# KiCad board backplane-breaout-big.kicad_pcb (continued)
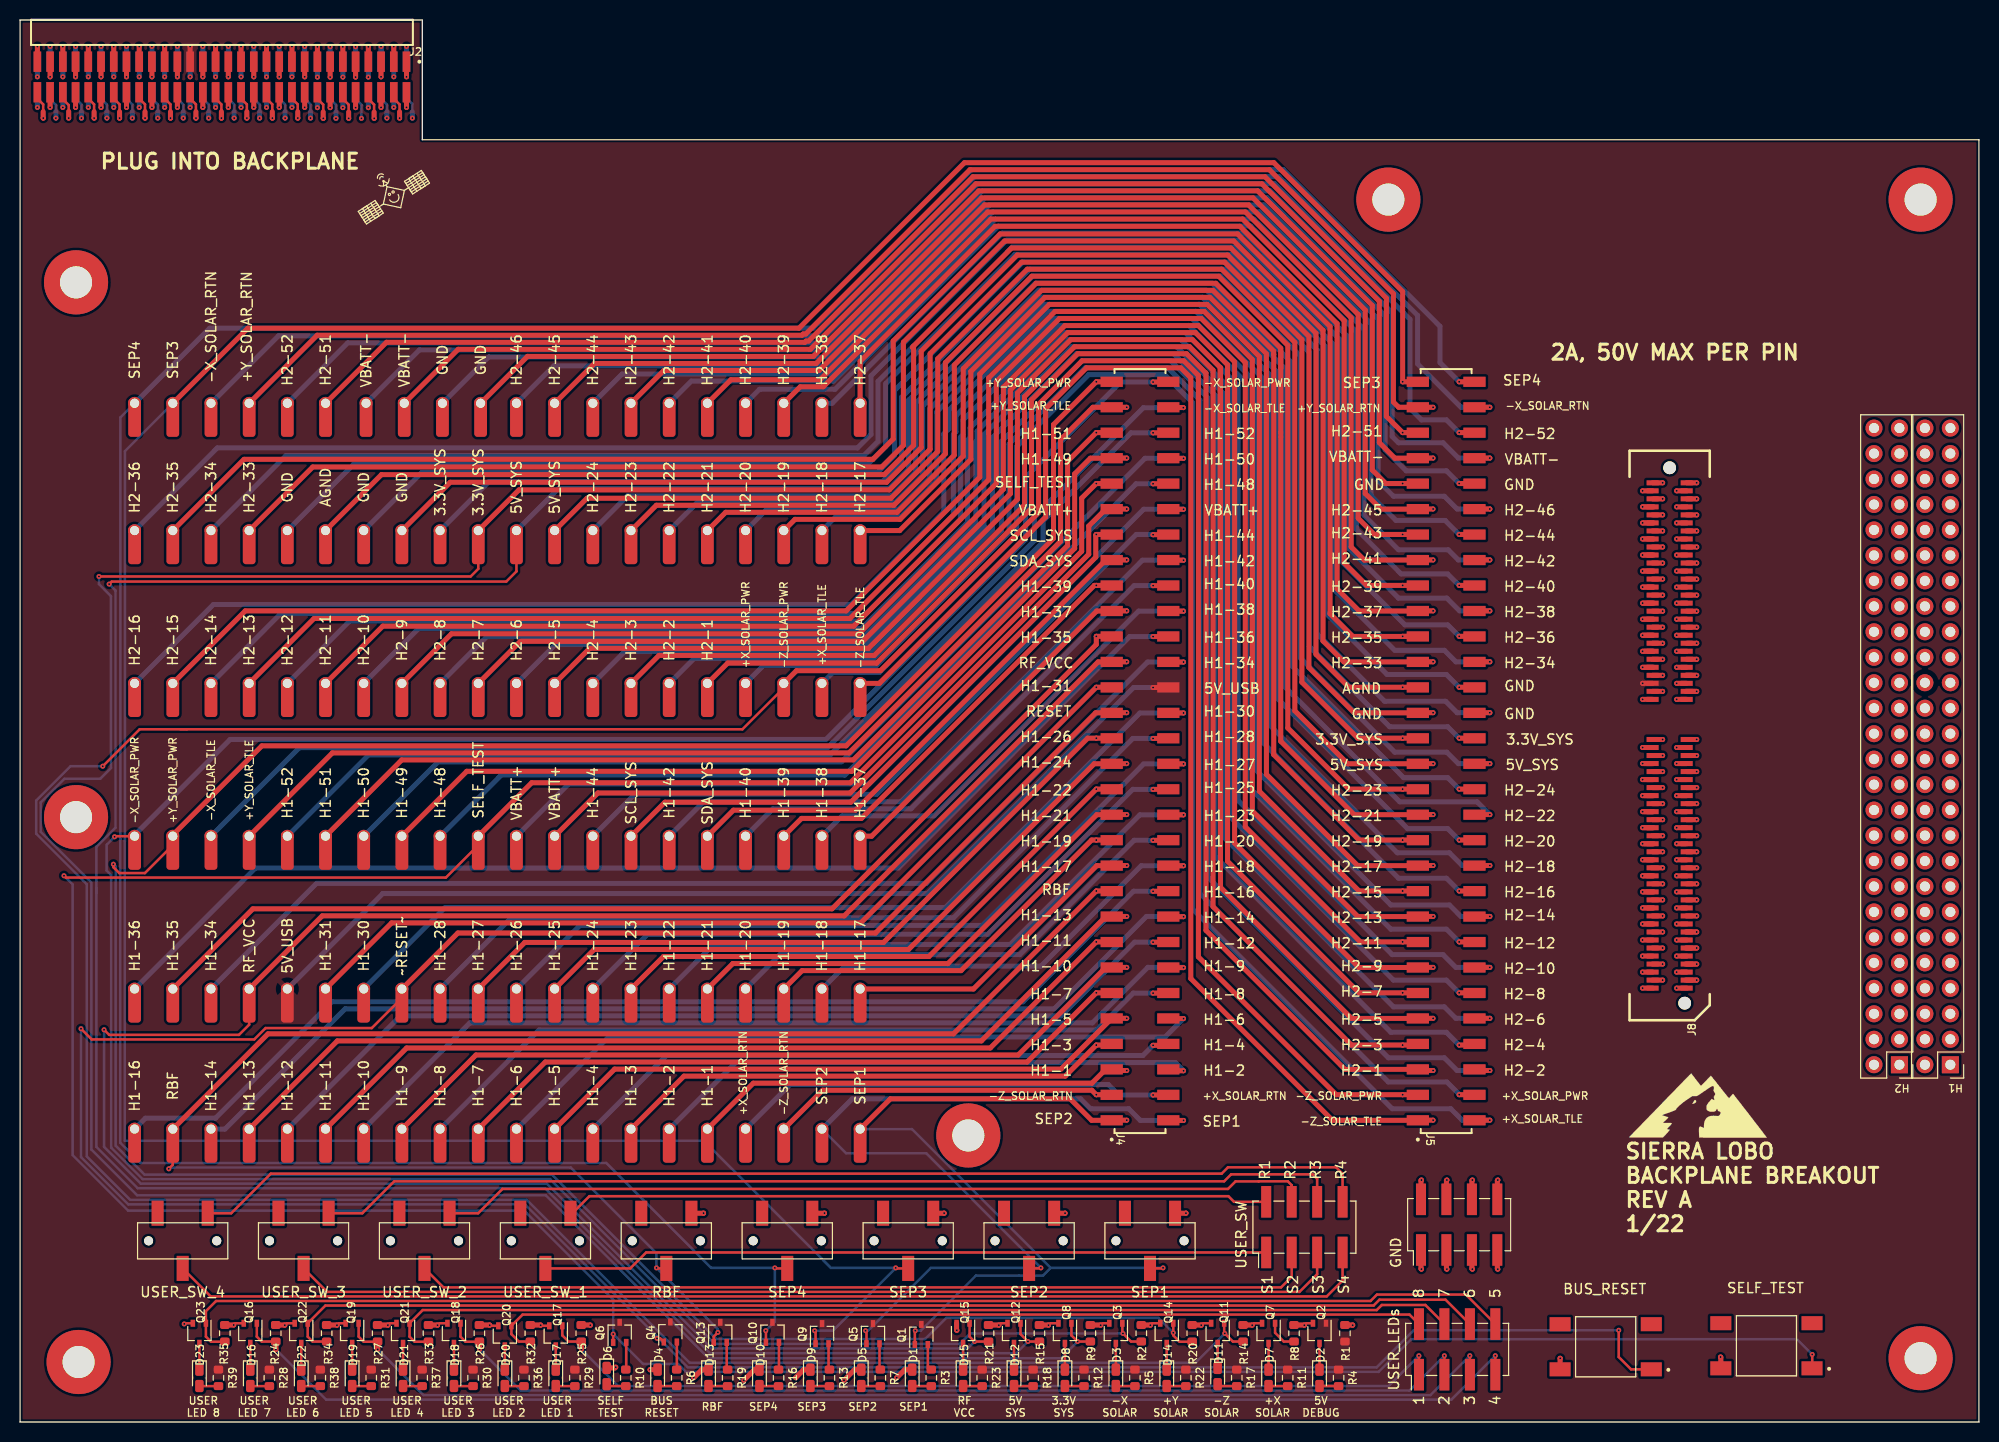
[diagram p0: board, top side]
## Nets
5V_DEBUG: H1.32 J2.36 J4.36 J8.70 Q1.3 Q2.1 Q4.3 Q5.3 Q6.3 Q9.3 Q10.3 Q13.3 R1.1 R4.1 R5.1 R11.1 R12.1 R17.1 R18.1 R22.1 R23.1 R28.1 R29.1 R30.1 R31.1 R36.1 R37.1 R38.1 R39.1 TP95.1
/AGND: H2.31 J1.35 J5.35 J8.71 TP36.1
GND: D1.1 D4.1 D5.1 D6.1 D9.1 D10.1 D13.1 H2.29 H2.30 H2.32 H2.47 H2.48 J1.33 J1.34 J1.36 J1.51 J1.52 J3.1 J3.2 J3.3 J3.4 J3.5 J3.6 J3.7 J3.8 J5.33 J5.34 J5.36 J5.51 J5.52 J8.67 J8.68 J8.72 J8.103 J8.104 Q2.2 Q3.2 Q7.2 Q8.2 Q11.2 Q12.2 Q14.2 Q15.2 Q16.2 Q17.2 Q18.2 Q19.2 Q20.2 Q21.2 Q22.2 Q23.2 R1.2 R2.2 R8.2 R9.2 R14.2 R15.2 R20.2 R21.2 R24.2 R25.2 R26.2 R27.2 R32.2 R33.2 R34.2 R35.2 SW1.2 SW2.2 SW7.3 SW8.3 SW9.3 SW10.3 SW11.3 TP34.1 TP52.1 TP94.1 TP96.1 TP112.1
/+X_SOLAR_PWR: J1.4 J5.4 J8.8 TP64.1
/+X_SOLAR_RTN: J2.4 J4.4 J8.6 TP63.1
/+X_SOLAR_TLE: J1.2 J5.2 J8.4 TP62.1
/+Y_SOLAR_PWR: J2.59 J4.59 J8.117 Q14.1 R20.1 TP59.1
/+Y_SOLAR_RTN: J1.57 J5.57 J8.115 TP58.1
/+Y_SOLAR_TLE: J2.57 J4.57 J8.113 TP57.1
/-X_SOLAR_PWR: J2.60 J4.60 J8.118 Q3.1 R2.1 TP119.1
/-X_SOLAR_RTN: J1.58 J5.58 J8.116 TP118.1
/-X_SOLAR_TLE: J2.58 J4.58 J8.114 TP117.1
/-Z_SOLAR_PWR: J1.3 J5.3 J8.7 Q11.1 R14.1 TP4.1
/-Z_SOLAR_RTN: J2.3 J4.3 J8.5 TP3.1
/-Z_SOLAR_TLE: J1.1 J5.1 J8.3 TP2.1
/BUS_RESET: H1.29 J2.33 J4.33 J8.65 Q4.1 SW1.1 TP33.1
/H1-1: H1.1 J2.5 J4.5 J8.9 TP5.1
/H1-2: H1.2 J2.6 J4.6 J8.10 TP65.1
/H1-3: H1.3 J2.7 J4.7 J8.13 TP7.1
/H1-4: H1.4 J2.8 J4.8 J8.14 TP67.1
/H1-5: H1.5 J2.9 J4.9 J8.17 TP9.1
/H1-6: H1.6 J2.10 J4.10 J8.18 TP69.1
/H1-7: H1.7 J2.11 J4.11 J8.21 TP11.1
/H1-8: H1.8 J2.12 J4.12 J8.22 TP71.1
/H1-9: H1.9 J2.13 J4.13 J8.25 TP13.1
/H1-10: H1.10 J2.14 J4.14 J8.26 TP73.1
/H1-11: H1.11 J2.15 J4.15 J8.29 TP15.1
/H1-12: H1.12 J2.16 J4.16 J8.30 TP75.1
/H1-13: H1.13 J2.17 J4.17 J8.33 TP17.1
/H1-14: H1.14 J2.18 J4.18 J8.34 TP77.1
/H1-16: H1.16 J2.20 J4.20 J8.38 TP79.1
/H1-17: H1.17 J2.21 J4.21 J8.41 TP21.1
/H1-18: H1.18 J2.22 J4.22 J8.42 TP81.1
/H1-19: H1.19 J2.23 J4.23 J8.45 TP23.1
/H1-20: H1.20 J2.24 J4.24 J8.46 TP83.1
/H1-21: H1.21 J2.25 J4.25 J8.49 TP25.1
/H1-22: H1.22 J2.26 J4.26 J8.50 TP85.1
/H1-23: H1.23 J2.27 J4.27 J8.53 TP27.1
/H1-24: H1.24 J2.28 J4.28 J8.54 TP87.1
/H1-25: H1.25 J2.29 J4.29 J8.57 TP29.1
/H1-26: H1.26 J2.30 J4.30 J8.58 TP89.1
/H1-27: H1.27 J2.31 J4.31 J8.61 TP31.1
/H1-28: H1.28 J2.32 J4.32 J8.62 TP91.1
/H1-30: H1.30 J2.34 J4.34 J8.66 TP93.1
/H1-31: H1.31 J2.35 J4.35 J8.69 TP35.1
/H1-33: H1.33 J2.37 J4.37 J8.73 Q15.1 R21.1 TP37.1
/H1-34: H1.34 J2.38 J4.38 J8.74 TP97.1
/H1-35: H1.35 J2.39 J4.39 J8.77 TP39.1
/H1-36: H1.36 J2.40 J4.40 J8.78 TP99.1
/H1-37: H1.37 J2.41 J4.41 J8.81 TP41.1
/H1-38: H1.38 J2.42 J4.42 J8.82 TP101.1
/H1-39: H1.39 J2.43 J4.43 J8.85 TP43.1
/H1-40: H1.40 J2.44 J4.44 J8.86 TP103.1
/H1-41: H1.41 J2.45 J4.45 J8.89 TP45.1
/H1-42: H1.42 J2.46 J4.46 J8.90 TP105.1
/H1-43: H1.43 J2.47 J4.47 J8.93 TP47.1
/H1-44: H1.44 J2.48 J4.48 J8.94 TP107.1
/H1-45: H1.45 J2.49 J4.49 J8.97 TP49.1
/H1-46: H1.46 J2.50 J4.50 J8.98 TP109.1
/H1-48: H1.48 J2.52 J4.52 J8.102 TP111.1
/H1-49: H1.49 J2.53 J4.53 J8.105 TP53.1
/H1-50: H1.50 J2.54 J4.54 J8.106 TP113.1
/H1-51: H1.51 J2.55 J4.55 J8.109 TP55.1
/H1-52: H1.52 J2.56 J4.56 J8.110 TP115.1
/H2-1: H2.1 J1.5 J5.5 J8.11 TP6.1
/H2-2: H2.2 J1.6 J5.6 J8.12 TP66.1
/H2-3: H2.3 J1.7 J5.7 J8.15 TP8.1
/H2-4: H2.4 J1.8 J5.8 J8.16 TP68.1
/H2-5: H2.5 J1.9 J5.9 J8.19 TP10.1
/H2-6: H2.6 J1.10 J5.10 J8.20 TP70.1
/H2-7: H2.7 J1.11 J5.11 J8.23 TP12.1
/H2-8: H2.8 J1.12 J5.12 J8.24 TP72.1
/H2-9: H2.9 J1.13 J5.13 J8.27 TP14.1
/H2-10: H2.10 J1.14 J5.14 J8.28 TP74.1
/H2-11: H2.11 J1.15 J5.15 J8.31 TP16.1
/H2-12: H2.12 J1.16 J5.16 J8.32 TP76.1
/H2-13: H2.13 J1.17 J5.17 J8.35 TP18.1
/H2-14: H2.14 J1.18 J5.18 J8.36 TP78.1
/H2-15: H2.15 J1.19 J5.19 J8.39 TP20.1
/H2-16: H2.16 J1.20 J5.20 J8.40 TP80.1
/H2-17: H2.17 J1.21 J5.21 J8.43 TP22.1
/H2-18: H2.18 J1.22 J5.22 J8.44 TP82.1
/H2-19: H2.19 J1.23 J5.23 J8.47 TP24.1
/H2-20: H2.20 J1.24 J5.24 J8.48 TP84.1
/H2-21: H2.21 J1.25 J5.25 J8.51 TP26.1
/H2-22: H2.22 J1.26 J5.26 J8.52 TP86.1
/H2-23: H2.23 J1.27 J5.27 J8.55 TP28.1
/H2-24: H2.24 J1.28 J5.28 J8.56 TP88.1
/H2-25: H2.25 J1.29 J5.29 J8.59 TP30.1
/H2-26: H2.26 J1.30 J5.30 J8.60 Q12.1 R15.1 TP90.1
/H2-27: H2.27 J1.31 J5.31 J8.63 Q8.1 R9.1 TP32.1
/H2-28: H2.28 J1.32 J5.32 J8.64 TP92.1
/H2-33: H2.33 J1.37 J5.37 J8.75 TP38.1
/H2-34: H2.34 J1.38 J5.38 J8.76 TP98.1
/H2-35: H2.35 J1.39 J5.39 J8.79 TP40.1
/H2-36: H2.36 J1.40 J5.40 J8.80 TP100.1
/H2-37: H2.37 J1.41 J5.41 J8.83 TP42.1
/H2-38: H2.38 J1.42 J5.42 J8.84 TP102.1
/H2-39: H2.39 J1.43 J5.43 J8.87 TP44.1
/H2-40: H2.40 J1.44 J5.44 J8.88 TP104.1
/H2-41: H2.41 J1.45 J5.45 J8.91 TP46.1
/H2-42: H2.42 J1.46 J5.46 J8.92 TP106.1
/H2-43: H2.43 J1.47 J5.47 J8.95 TP48.1
/H2-44: H2.44 J1.48 J5.48 J8.96 TP108.1
/H2-45: H2.45 J1.49 J5.49 J8.99 TP50.1
/H2-46: H2.46 J1.50 J5.50 J8.100 TP110.1
/H2-49: H2.49 J1.53 J5.53 J8.107 TP54.1
/H2-50: H2.50 J1.54 J5.54 J8.108 TP114.1
/H2-51: H2.51 J1.55 J5.55 J8.111 TP56.1
/H2-52: H2.52 J1.56 J5.56 J8.112 TP116.1
/RBF: H1.15 J2.19 J4.19 J8.37 Q13.1 SW11.2 TP19.1
/SELF_TEST: H1.47 J2.51 J4.51 J8.101 Q6.1 SW2.1 TP51.1
/SEP1: J2.1 J4.1 J8.1 Q1.1 SW7.2 TP1.1
/SEP2: J2.2 J4.2 J8.2 Q5.1 SW8.2 TP61.1
/SEP3: J1.59 J5.59 J8.119 Q9.1 SW9.2 TP60.1
/SEP4: J1.60 J5.60 J8.120 Q10.1 SW10.2 TP120.1
/USER_LED_1: J7.1 Q17.1 R25.1
/USER_LED_2: J7.2 Q20.1 R32.1
/USER_LED_3: J7.3 Q18.1 R26.1
/USER_LED_4: J7.4 Q21.1 R33.1
/USER_LED_5: J7.5 Q19.1 R27.1
/USER_LED_6: J7.6 Q22.1 R34.1
/USER_LED_7: J7.7 Q16.1 R24.1
/USER_LED_8: J7.8 Q23.1 R35.1
/USER_SW_1_RET: J6.2 SW3.3
/USER_SW_1_SEND: J6.1 SW3.2
/USER_SW_2_RET: J6.4 SW4.3
/USER_SW_2_SEND: J6.3 SW4.2
/USER_SW_3_RET: J6.6 SW5.3
/USER_SW_3_SEND: J6.5 SW5.2
/USER_SW_4_RET: J6.8 SW6.3
/USER_SW_4_SEND: J6.7 SW6.2
Net-(D1-Pad2): D1.2 R3.2
Net-(D2-Pad1): D2.1 Q2.3
Net-(D2-Pad2): D2.2 R4.2
Net-(D3-Pad1): D3.1 Q3.3
Net-(D3-Pad2): D3.2 R5.2
Net-(D4-Pad2): D4.2 R6.2
Net-(D5-Pad2): D5.2 R7.2
Net-(D6-Pad2): D6.2 R10.2
Net-(D7-Pad1): D7.1 Q7.3
Net-(D7-Pad2): D7.2 R11.2
Net-(D8-Pad1): D8.1 Q8.3
Net-(D8-Pad2): D8.2 R12.2
Net-(D9-Pad2): D9.2 R13.2
Net-(D10-Pad2): D10.2 R16.2
Net-(D11-Pad1): D11.1 Q11.3
Net-(D11-Pad2): D11.2 R17.2
Net-(D12-Pad1): D12.1 Q12.3
Net-(D12-Pad2): D12.2 R18.2
Net-(D13-Pad2): D13.2 R19.2
Net-(D14-Pad1): D14.1 Q14.3
Net-(D14-Pad2): D14.2 R22.2
Net-(D15-Pad1): D15.1 Q15.3
Net-(D15-Pad2): D15.2 R23.2
Net-(D16-Pad1): D16.1 Q16.3
Net-(D16-Pad2): D16.2 R28.2
Net-(D17-Pad1): D17.1 Q17.3
Net-(D17-Pad2): D17.2 R29.2
Net-(D18-Pad1): D18.1 Q18.3
Net-(D18-Pad2): D18.2 R30.2
Net-(D19-Pad1): D19.1 Q19.3
Net-(D19-Pad2): D19.2 R31.2
Net-(D20-Pad1): D20.1 Q20.3
Net-(D20-Pad2): D20.2 R36.2
Net-(D21-Pad1): D21.1 Q21.3
Net-(D21-Pad2): D21.2 R37.2
Net-(D22-Pad1): D22.1 Q22.3
Net-(D22-Pad2): D22.2 R38.2
Net-(D23-Pad1): D23.1 Q23.3
Net-(D23-Pad2): D23.2 R39.2
Net-(Q1-Pad2): Q1.2 R3.1
Net-(Q4-Pad2): Q4.2 R6.1
Net-(Q5-Pad2): Q5.2 R7.1
Net-(Q6-Pad2): Q6.2 R10.1
Net-(Q7-Pad1): Q7.1 R8.1
Net-(Q9-Pad2): Q9.2 R13.1
Net-(Q10-Pad2): Q10.2 R16.1
Net-(Q13-Pad2): Q13.2 R19.1

Pads without a net: H5 1; H6 1; H7 1; H8 1; H9 1; H10 1; H11 1; SW1 3 4; SW2 3 4; SW3 1; SW4 1; SW5 1; SW6 1; SW7 1; SW8 1; SW9 1; SW10 1; SW11 1

## Via types
v1: diameter 0.5, hole 0.2, Top to Bottom, 437 vias

## Routing (per net, layer and track width the routed paths; a pad name or vN(x,y) marks a point on that pad's centre or on a via; arc(x,y) is an arc through that point)
5V_DEBUG: length 400.1
  Top w0.5: 16.97,135.68 v1(16.97,137.19) ; J8.70 v1(161.89,73.67) ; 114.57,73.25 v1(113.05,73.25)
  In3.Cu w0.25: 16.39,134.76 16.39,130.82 16.89,130.32 16.89,129.41
  In3.Cu w0.4: H1.32 188.81,74.98 184.46,74.98
  In3.Cu w0.5: 16.39,134.76 16.39,136.61 v1(16.97,137.19) ; 184.46,74.98 183.26,74.98 182.05,73.77 166.25,73.77 165.55,74.47 165.08,74.47 164.28,73.67 v1(161.89,73.67) 161.58,73.98 113.78,73.98 v1(113.05,73.25) ; TP95.1 35.11,51.62 85.15,51.62 93.67,60.14 93.67,106.11 86.17,113.61 27.22,113.61 16.89,123.94 16.89,129.67
  Bottom w0.5: TP95.1 36.19,52.7 90.55,52.7 111.1,73.25 v1(113.05,73.25)
/AGND: length 375.4
  Top w0.5: 89.15,107.31 89.15,97.41 86.23,94.49 36.06,94.49 TP36.1 ; 89.03,107.19 98.92,117.09 120.81,117.09 129.3,108.59 129.3,76.56 132.59,73.28 v1(137.95,73.28) 139.47,73.28 ; 166.19,74.47 167.15,74.47 ; J8.71 v1(167.29,74.47)
  In4.Cu w0.25: v1(16.97,134.16) 16.39,133.59 16.39,130.76 16.89,130.26 16.89,129.41
  In4.Cu w0.4: 183.76,72.48 186.27,72.48 H2.31
  In4.Cu w0.5: 184.56,72.48 169.28,72.48 v1(167.29,74.47) 165.05,74.47 164.35,73.77 163.55,73.77 162.95,74.37 139.04,74.37 v1(137.95,73.28) ; 16.89,129.67 16.89,125.73 28.82,113.8 78.08,113.8 87.63,104.24 87.63,98.57 84.94,95.88 37.4,95.88 30.42,88.91
  Bottom w0.5: v1(16.97,134.16) 16.97,135.67
GND: length 1622.7
  Top w0.25: Q11.2 118.05,9.84 v1(117.86,9.65) ; Q7.2 123.13,9.84 v1(122.94,9.65) ; v1(51.94,9.65) 52,9.59 Q17.2 ; v1(31.62,9.65) 31.82,9.84 Q19.2 ; Q20.2 46.92,9.59 v1(46.86,9.65) ; Q12.2 97.86,9.84 v1(97.66,9.65) ; Q8.2 102.81,9.84 v1(102.62,9.65) ; Q16.2 21.49,9.84 v1(21.32,9.67) ; v1(112.78,9.65) 112.97,9.84 Q14.2 ; Q18.2 41.85,9.84 v1(41.66,9.65) ; Q2.2 128.34,9.84 v1(128.14,9.65) ; Q21.2 36.9,9.84 v1(36.7,9.65) ; v1(16.38,9.78) 16.45,9.84 Q23.2 ; v1(107.82,9.65) 108.02,9.84 Q3.2 ; v1(26.42,9.65) 26.61,9.84 Q22.2
  Top w0.5: J3.6 144.86,24.08 v1(144.91,24.13) ; TP34.1 42.92,93.73 86.46,93.73 89.92,97.18 89.92,106.81 99.49,116.38 120.49,116.38 128.6,108.28 128.6,75.24 133.12,70.73 J5.33 ; 145.12,93.6 v1(143.59,93.6) ; v1(142.37,24.13) 142.32,24.08 142.32,22.2 ; v1(77.39,4.41) 78.19,5.21 D9.1 ; R9.2 107.81,9.67 v1(107.82,9.65) ; v1(36.7,9.65) 36.69,9.67 R27.2 ; R26.2 46.84,9.67 v1(46.86,9.65) ; v1(139.83,24.13) 139.78,24.08 J3.2 ; v1(82.21,4.16) 83.26,5.21 D5.1 ; 145.12,73.28 v1(143.59,73.28) ; v1(147.45,24.13) 147.4,24.08 J3.8 ; v1(68.2,20.83) 68.19,20.82 SW11.3 ; R20.2 117.84,9.67 v1(117.86,9.65) ; v1(59.44,5.46) 59.37,5.39 D6.1 ; R25.2 56.88,9.67 v1(56.9,9.65) ; J3.1 139.78,15.29 v1(139.83,15.24) ; D13.1 68.03,5.21 v1(67.23,4.41) ; v1(132.97,9.65) 132.95,9.67 R1.2 ; v1(41.66,9.65) 41.64,9.67 R33.2 ; D1.1 88.27,5.21 v1(87.47,4.41) ; R32.2 51.93,9.67 v1(51.94,9.65) ; J8.103 v1(167.29,87.27) ; v1(72.22,4.16) 73.27,5.21 D10.1 ; v1(97.66,9.65) 97.65,9.67 R21.2 ; v1(26.42,9.65) 26.4,9.67 R24.2 ; J8.68 v1(163.89,72.87) ; v1(104.27,20.83) 104.25,20.82 103.18,20.82 ; v1(93.47,9.14) 93.44,9.17 Q15.2 ; R14.2 122.92,9.67 v1(122.94,9.65) ; J8.72 v1(163.89,74.47) ; R35.2 v1(21.32,9.67) ; 139.47,93.6 v1(137.95,93.6) 136.27,93.6 134.92,94.95 134.92,111.35 123.48,122.79 95.65,122.79 79.14,106.28 50.63,106.28 TP52.1 ; v1(62.87,5.21) 62.87,5.21 D4.1 ; 145.12,70.74 v1(146.65,70.74) ; v1(112.78,9.65) 112.76,9.67 R2.2 ; v1(92.2,20.83) 92.19,20.82 SW9.3 ; v1(128.14,9.65) 128.12,9.67 R8.2 ; J8.67 v1(167.29,72.87) ; v1(31.62,9.65) 31.61,9.67 R34.2 ; R15.2 102.6,9.67 v1(102.62,9.65) ; SW7.3 116.32,20.82 v1(116.33,20.83) ; SW1.2 153.66,6.34 v1(153.67,6.35) ; SW2.2 169.7,6.45 v1(169.67,6.48) ; J3.7 147.4,15.29 v1(147.45,15.24) ; 139.47,70.74 140.95,70.74 ; v1(80.26,20.83) 80.25,20.82 SW10.3 ; J8.104 v1(163.89,87.27) ; 142.32,17.15 142.32,15.29 v1(142.37,15.24) ; J3.5 144.86,15.29 v1(144.91,15.24) ; 166.19,72.87 167.15,72.87
  In2.Cu w0.25: 6.86,129.54 6.81,129.59 v1(6.81,131.11) ; 17.02,129.54 16.97,129.59 v1(16.97,131.11)
  In2.Cu w0.5: H2.48 176.67,94.05 170.69,88.07 166.75,88.07 165.95,87.27 v1(163.89,87.27) 152.85,87.27 146.52,93.6 v1(143.59,93.6) ; 6.86,129.54 6.86,126.26 29.72,103.4 40.35,103.4 TP112.1 ; TP96.1 32.13,94.36 84.33,94.36 87.88,97.92 87.88,101.22 79.76,109.34 32.52,109.34 17.02,124.84 17.02,129.54 ; v1(146.65,70.74) 148.68,72.77 163.79,72.77 v1(163.89,72.87) 165.85,72.87 166.65,73.67 174.79,73.67 177.27,71.19 H2.30 ; v1(18.82,130.05) 18.82,124.81 33.4,110.24 80.01,110.24 88.65,101.6 88.65,97.54 85.32,94.21 39.59,94.21 TP94.1 ; H2.32 176.49,73.73 175.05,75.17 166.19,75.17 165.49,74.47 v1(163.89,74.47) 144.78,74.47 v1(143.59,73.28)
  In4.Cu w0.25: 6.73,129.41 6.73,130.26 6.12,130.87 6.12,133.47 v1(6.81,134.16) ; 18.16,129.54 18.16,130.26 17.66,130.76 17.66,136.61 v1(18.24,137.19)
  In4.Cu w0.4: H2.29 186.23,69.9 183.88,69.9 ; 183.35,92.77 186.24,92.77 H2.47
  In4.Cu w0.5: 183.35,92.77 184.35,92.77 ; TP52.1 40.12,107.44 26.07,107.44 6.73,126.78 6.73,129.67 ; 183.95,92.77 172.79,92.77 v1(167.29,87.27) 165.05,87.27 164.25,86.47 163.55,86.47 162.85,87.17 160.45,87.17 160.45,87.17 152.25,87.17 146.9,92.52 139.03,92.52 v1(137.95,93.6) ; 18.16,129.54 18.16,125.98 29.65,114.5 78.41,114.5 88.39,104.52 88.39,98.3 85.28,95.18 44.38,95.18 TP34.1 ; v1(140.99,70.74) 141.66,70.07 164.49,70.07 v1(167.29,72.87) 170.26,69.9 184.42,69.9
  Bottom w0.25: 18.24,132 18.82,131.42 18.82,130.86
  Bottom w0.5: v1(6.81,134.16) 6.81,135.67 ; v1(146.65,70.74) 143.38,70.74 142.24,71.88 136.14,71.88 129.41,78.61 129.41,106.93 120.65,115.7 100.08,115.7 87.25,102.87 87.25,96.39 85.53,94.68 40.06,94.68 TP94.1 ; v1(18.82,130.05) 18.82,130.05 18.82,130.68 ; TP112.1 46.76,106.22 80.42,106.22 96.29,122.09 124.44,122.09 136.2,110.33 136.2,96.97 138.3,94.87 142.32,94.87 v1(143.59,93.6) ; v1(143.59,73.28) 142.32,74.55 136.4,74.55 130.18,80.77 130.18,107.31 121.03,116.46 99.27,116.46 86.37,103.56 86.37,97.29 84.58,95.5 33.27,95.5 TP96.1 ; 18.24,135.68 v1(18.24,137.19) ; J1.36 v1(16.97,131.11) ; J1.52 v1(6.81,131.11)
/+X_SOLAR_PWR: length 303.2
  Top w0.5: 145.12,32.64 v1(143.59,32.64) ; J8.8 v1(163.89,45.67)
  In2.Cu w0.25: v1(37.29,131.11) 37.29,129.59 37.34,129.54
  In2.Cu w0.5: 37.34,129.54 37.34,125.6 40.89,122.05 84.46,122.05 100.08,106.43 100.08,93.34 84.01,77.28 76,77.28 TP64.1 ; v1(163.89,45.67) 160.55,45.67 147.52,32.64 v1(143.59,32.64)
  Bottom w0.5: TP64.1 74.18,75.46 85.44,75.46 98.68,88.69 98.68,97.54 106.3,105.15 114.5,105.15 117.73,101.92 117.73,52.7 136.53,33.91 142.37,33.91 143.59,32.69 v1(143.59,32.64) ; J1.4 v1(37.29,131.11)
/+X_SOLAR_RTN: length 287.1
  Top w0.5: 37.29,135.67 37.29,137.18 ; J8.6 v1(161.89,44.87) ; 114.57,32.61 v1(113.05,32.61)
  In3.Cu w0.25: 37.21,129.67 37.21,130.26 36.71,130.76 36.71,131.58 ; 36.71,134.63 36.71,133.74
  In3.Cu w0.5: v1(37.29,137.19) 36.71,136.61 36.71,134.63 ; 36.71,131.58 36.71,133.74 ; v1(113.05,32.61) 114.21,33.77 150.79,33.77 v1(161.89,44.87) ; 37.21,129.67 37.21,126.24 38.48,124.97 90.81,124.97 105.03,110.74 105.03,52.32 85.79,33.09 76.27,33.09 TP63.1
  Bottom w0.5: v1(113.05,32.61) 109.63,32.61 108.59,33.66 76.84,33.66 TP63.1
/+X_SOLAR_TLE: length 289.5
  Top w0.5: J8.4 v1(163.89,44.07) ; 145.12,30.1 v1(146.65,30.1)
  In2.Cu w0.5: v1(146.65,30.1) 160.62,44.07 v1(163.89,44.07) ; TP62.1 82.8,76.45 84.46,76.45 100.84,92.84 100.84,106.81 84.84,122.81 41.78,122.81 39.14,125.45 v1(39.14,130.05)
  Bottom w0.25: 38.56,132.05 39.14,131.47 39.14,130.67
  Bottom w0.5: v1(146.65,30.1) 143.89,30.1 142.75,31.24 136.91,31.24 116.97,51.18 116.97,101.69 114.21,104.45 106.61,104.45 99.44,97.28 99.44,88.46 85.74,74.75 81.1,74.75 TP62.1 ; 39.14,130.67 39.14,130.05
/+Y_SOLAR_PWR: length 543.5
  Top w0.25: 116.94,8 115.7,8 115.06,8.63 v1(115.06,8.89) Q14.1 ; 2.31,130.68 2.31,131.42 1.73,132 ; v1(9.31,55.63) 9.31,55.33 9.9,54.74 12.46,54.74 15.24,57.53
  Top w0.5: J8.117 v1(165.29,92.87) ; 108.9,103.75 v1(107.38,103.75) 103.12,99.48 103.12,88.13 82.42,67.44 24.13,67.44 15.24,58.55 ; v1(2.31,130.05) 2.31,130.05 2.31,130.68
  In1.Cu w0.5: v1(2.31,130.05) 2.31,124.72 23.83,103.2 83.98,103.2 85.48,101.7 85.48,70.11 80.77,65.4 22.22,65.4 TP59.1 ; v1(107.38,103.75) 108.66,102.47 154.1,102.47 163.7,92.87 v1(165.29,92.87)
  Bottom w0.25: v1(9.31,55.63) 9.54,55.4 9.54,27.55 12.42,24.67 53.07,24.67 69.47,8.27 90.3,8.27 92.41,10.38 113.58,10.38 v1(115.06,8.89)
/+Y_SOLAR_RTN: length 221.4
  Top w0.5: TP58.1 29.64,108.39 78.02,108.39 78.14,108.52 78.4,108.52 94.78,124.9 124.65,124.9 137.03,112.52 137.03,101.73 137.55,101.21 J5.57 ; J8.115 v1(167.29,92.07) ; 139.47,101.21 140.95,101.21
  In4.Cu w0.25: 2.92,129.67 2.92,130.38 2.42,130.88 2.42,136.61 v1(3,137.19)
  In4.Cu w0.5: v1(167.29,92.07) 165.1,92.07 164.3,91.27 163.7,91.27 162.8,92.17 154.25,92.17 145.21,101.21 v1(140.99,101.21) ; TP58.1 20.96,103.51 20.96,109.58 2.92,127.61 2.92,129.67
  Bottom w0.5: 3,135.68 v1(3,137.19)
/+Y_SOLAR_TLE: length 371.6
  Top w0.5: TP57.1 31.17,66.73 82.71,66.73 103.82,87.84 103.82,97.98 107.05,101.21 J4.57 ; J8.113 v1(165.29,91.27) ; J2.57 v1(3,131.11) ; 108.9,101.21 110.38,101.21
  In1.Cu w0.25: v1(3,131.11) 3,129.71 3.05,129.67
  In1.Cu w0.5: TP57.1 29.08,64.64 81.03,64.64 86.18,69.8 86.18,102 84.23,103.95 24.08,103.95 3.05,124.98 3.05,129.54 ; v1(165.29,91.27) 162.89,91.27 162.09,92.07 160.85,92.07 153.15,99.77 111.86,99.77 v1(110.43,101.21)
/-X_SOLAR_PWR: length 541.3
  Top w0.25: v1(9.43,58.36) 9.49,58.43 TP119.1 ; Q3.1 109.98,8.89 v1(110.05,8.83) 110.85,8.02 R2.1
  Top w0.5: 1.73,135.68 v1(1.73,137.19) ; 114.57,103.72 v1(113.05,103.72) ; J8.118 v1(161.89,92.87)
  In3.Cu w0.5: v1(161.89,92.87) 151.72,103.04 113.73,103.04 v1(113.05,103.72) ; TP119.1 21.46,68.45 80.93,68.45 84.91,72.44 84.91,102.95 83.08,104.77 24.13,104.77 2.03,126.87 2.03,128.9 0.92,130.02 0.92,136.37 v1(1.73,137.19)
  Bottom w0.25: v1(110.05,8.83) 94.8,8.83 93.76,7.78 69.32,7.78 52.89,24.22 12.24,24.22 9.09,27.37 9.09,54.54 8.64,54.99 8.64,57.57 v1(9.43,58.36)
  Bottom w0.5: v1(113.05,103.72) 109.82,103.72 100.33,94.23 100.33,88.01 80.39,68.07 20.96,68.07 11.43,58.55
/-X_SOLAR_RTN: length 209.8
  Top w0.5: J8.116 v1(163.89,92.07) ; 145.12,101.21 v1(146.65,101.21)
  In2.Cu w0.5: v1(3.58,130.04) 3.58,125.05 19.05,109.58 TP118.1 ; v1(146.65,101.21) 155.79,92.07 v1(163.89,92.07)
  Bottom w0.25: 3.58,130.7 3.58,131.35 3,131.93
  Bottom w0.5: v1(146.65,101.21) 143.78,101.21 139.45,105.54 139.45,110.36 125.61,124.2 95.25,124.2 79.38,108.33 25.78,108.33 TP118.1 ; v1(3.58,130.04) 3.58,130.7
/-X_SOLAR_TLE: length 374.7
  Top w0.5: 3,135.67 v1(3,134.16) ; J8.114 v1(161.89,91.27) ; 162.99,91.27 162.03,91.27 ; 114.57,101.18 116.05,101.18
  In3.Cu w0.25: 2.92,129.41 2.92,130.26 2.42,130.76 2.42,131.56
  In3.Cu w0.5: v1(3,134.16) 2.42,133.59 2.42,131.56 ; TP117.1 28.32,67.69 81.16,67.69 85.62,72.15 85.62,103.24 83.31,105.54 24.36,105.54 2.92,126.98 2.92,129.67 ; v1(116.07,101.16) 116.73,100.5 152.66,100.5 v1(161.89,91.27)
  Bottom w0.5: TP117.1 27.87,67.24 80.56,67.24 101.21,87.9 101.21,90.29 112.09,101.16 v1(116.07,101.16)
/-Z_SOLAR_PWR: length 557.6
  Top w0.25: Q11.1 120.14,8.89 v1(120.21,8.83) 121.01,8.02 R14.1 ; v1(8.26,65.4) 11.94,69.09 16.64,69.09 ; 76.2,73.21 72.08,69.09 16.64,69.09 ; 16,69.09 16.64,69.09
  Top w0.5: J8.7 v1(167.29,45.67) ; 166.19,45.67 167.15,45.67 ; TP4.1 77.46,74.93 85.85,74.93 101.63,90.7 101.63,101.5 105.97,105.84 116.11,105.84 117.57,104.38 117.57,46.39 131.32,32.64 v1(137.95,32.64) 139.47,32.64
  In4.Cu w0.25: 37.21,129.67 37.21,130.3 36.6,130.92 36.6,133.47 v1(37.29,134.16)
  In4.Cu w0.5: TP4.1 81.14,78.6 88.51,78.6 100.2,90.3 100.2,109.35 84.33,125.22 39.5,125.22 37.21,127.51 37.21,129.67 ; v1(167.29,45.67) 164.89,45.67 164.09,44.87 162.89,44.87 162.18,45.57 161.45,45.57 149.45,33.57 138.88,33.57 v1(137.95,32.64)
  Bottom w0.25: v1(8.26,65.4) 5.04,65.4 1.61,61.97 1.61,58.68 6.66,53.62 6.66,26.48 10.99,22.15 50.56,22.15 66.82,5.9 117.28,5.9 v1(120.21,8.83)
  Bottom w0.5: 37.29,135.68 37.29,134.17
/-Z_SOLAR_RTN: length 274
  Top w0.25: 37.87,130.67 37.87,131.41 37.29,131.99
  Top w0.5: J8.5 v1(165.29,44.87) ; TP3.1 80.08,33.09 106.94,33.09 v1(107.38,32.64) 108.9,32.64 ; 37.87,130.67 37.87,130.05
  In1.Cu w0.5: v1(165.29,44.87) 162.95,44.87 162.05,43.97 160.35,43.97 150.55,34.17 108.92,34.17 v1(107.38,32.64) ; v1(37.87,130.05) 37.87,125.45 39.9,123.43 91.85,123.43 105.27,110.02 105.27,54.72 81.14,30.6 77.59,30.6 TP3.1
/-Z_SOLAR_TLE: length 303.3
  Top w0.5: J5.1 130.95,30.09 116.81,44.22 116.81,104.14 115.81,105.14 106.41,105.14 102.33,101.06 102.33,90.26 85.73,73.67 TP2.1 ; 166.19,44.07 167.15,44.07 ; J8.3 v1(167.29,44.07) ; 139.47,30.1 140.95,30.1
  In4.Cu w0.25: 38.48,129.41 38.48,130.26 37.98,130.76 37.98,136.61 v1(38.56,137.19)
  In4.Cu w0.5: v1(167.29,44.07) 164.89,44.07 151.62,30.8 141.69,30.8 v1(140.99,30.1) ; 38.48,129.67 38.48,128.02 40.51,125.98 84.71,125.98 100.97,109.73 100.97,89.79 84.84,73.67 TP2.1
  Bottom w0.5: 38.56,137.03 38.56,135.67 v1(38.56,137.19)
/BUS_RESET: length 589.2
  Top w0.25: SW1.1 160.74,5.25 159.51,6.48 v1(159.51,9.14) ; TP33.1 38.1,42.29 35.1,39.29 24.5,39.29 23.37,38.16 7.15,38.16 v1(6.08,39.22) ; Q4.1 63.87,8.34 v1(63.56,8.34)
  Top w0.5: J4.33 107.31,70.73 85.35,48.77 43.68,48.77 TP33.1 ; J2.33 v1(18.24,131.11) ; 108.9,70.74 110.38,70.74 ; J8.65 v1(165.29,72.07)
  In1.Cu w0.25: v1(18.24,131.11) 18.24,129.71 18.29,129.67
  In1.Cu w0.4: H1.29 191.35,72.44 184.28,72.44
  In1.Cu w0.5: TP33.1 43.17,48.25 78.43,48.25 94.62,64.43 94.62,105.49 87.58,112.52 27.43,112.52 18.29,121.66 18.29,129.54 ; v1(110.43,70.74) 111.59,69.57 147.26,69.57 150.65,72.97 161.99,72.97 162.89,72.07 v1(165.29,72.07) 174.85,72.07 175.22,72.44 184.58,72.44
  Bottom w0.25: v1(159.51,9.14) 139.06,9.14 135.36,5.44 66.63,5.44 63.73,8.34 v1(63.56,8.34) 63.56,8.52 50.37,21.7 10.8,21.7 6.08,26.42 v1(6.08,39.22)
/H1-1: length 319.1
  Top w0.5: 108.32,35.17 106.94,33.79 73.16,33.79 TP5.1 ; J2.5 v1(36.02,131.11) ; 108.9,35.05 110.38,35.05 ; J8.9 v1(165.29,46.47)
  In1.Cu w0.25: 36.07,129.67 36.02,129.71 v1(36.02,131.11)
  In1.Cu w0.4: 184.56,36.88 191.35,36.88 H1.1
  In1.Cu w0.5: TP5.1 70.67,31.3 80.85,31.3 104.56,55.01 104.56,109.59 91.43,122.72 39.33,122.72 36.07,125.98 36.07,129.54 ; v1(110.43,35.05) 111.13,35.75 149.63,35.75 159.45,45.57 162.15,45.57 163.05,46.47 v1(165.29,46.47) 167.95,46.47 177.54,36.88 184.56,36.88
/H1-2: length 332.7
  Top w0.5: 114.57,35.03 116.05,35.03 ; 36.02,135.68 36.02,134.17 ; J8.10 v1(161.89,46.47)
  In3.Cu w0.25: 35.44,131.56 35.44,130.74 35.94,130.24 35.94,129.54
  In3.Cu w0.4: H1.2 188.81,36.88 184.54,36.88
  In3.Cu w0.5: TP65.1 69.35,33.79 84.95,33.79 104.33,53.17 104.33,110.39 90.45,124.27 37.43,124.27 35.94,125.75 35.94,129.67 ; 184.54,36.88 177.54,36.88 167.95,46.47 167.05,46.47 166.25,45.67 165.1,45.67 164.3,46.47 v1(161.89,46.47) 151.79,36.37 117.43,36.37 v1(116.09,35.03) ; v1(36.02,134.16) 35.44,133.59 35.44,131.56
  Bottom w0.5: v1(116.09,35.03) 115.27,35.85 71.41,35.85 TP65.1
/H1-3: length 336.4
  Top w0.25: 34.75,131.96 35.33,131.39 35.33,130.65
  Top w0.5: 108.9,37.59 v1(107.38,37.59) 104.29,34.49 66.24,34.49 TP7.1 ; 35.33,130.65 35.33,130.02 ; J8.13 v1(165.29,48.07)
  In1.Cu w0.4: 183.7,39.42 191.35,39.42 H1.3
  In1.Cu w0.5: 184.6,39.42 177.4,39.42 168.75,48.07 v1(165.29,48.07) 162.89,48.07 161.99,47.17 158.55,47.17 150.45,39.07 108.86,39.07 v1(107.38,37.59) ; v1(35.33,130.02) 35.33,125.57 38.89,122.02 91.14,122.02 103.86,109.3 103.86,108.17 103.86,55.56 80.36,32.05 63.8,32.05 TP7.1
/H1-4: length 350.2
  Top w0.5: 34.75,135.65 34.75,137.16 ; J8.14 v1(161.89,48.07) ; 114.57,37.57 v1(113.05,37.57)
  In3.Cu w0.25: 34.17,134.61 34.17,133.61 ; 34.17,131.56 34.17,130.73 34.67,130.23 34.67,129.54
  In3.Cu w0.4: H1.4 188.81,39.42 184.6,39.42
  In3.Cu w0.5: 34.17,134.61 34.17,136.58 v1(34.75,137.16) ; 184.6,39.42 177.3,39.42 168.65,48.07 166.95,48.07 166.25,47.37 165,47.37 164.3,48.07 v1(161.89,48.07) 152.59,38.77 114.25,38.77 v1(113.05,37.57) ; 34.17,133.61 34.17,131.56 ; TP67.1 62.43,34.49 84.66,34.49 103.56,53.4 103.56,110.15 90.16,123.56 36.46,123.56 34.67,125.35 34.67,129.67
  Bottom w0.5: v1(113.05,37.57) 112.03,36.55 64.49,36.55 TP67.1
/H1-5: length 349.8
  Top w0.5: J2.9 v1(33.48,131.09) ; 108.9,40.26 110.38,40.26 ; J8.17 v1(165.29,49.67) ; TP9.1 59.33,35.2 103.87,35.2 J4.9
  In1.Cu w0.25: v1(33.48,131.09) 33.48,129.71 33.53,129.67
  In1.Cu w0.4: H1.5 191.35,41.96 184.56,41.96
  In1.Cu w0.5: TP9.1 56.89,32.76 80.06,32.76 80.24,32.94 103.16,55.85 103.16,109.01 90.85,121.32 37.81,121.32 33.53,125.6 33.53,129.54 ; v1(110.43,40.26) 111.13,40.96 149.24,40.96 157.15,48.87 162.09,48.87 162.89,49.67 v1(165.29,49.67) 170.75,49.67 178.46,41.96 184.56,41.96
/H1-6: length 363.3
  Top w0.5: 33.48,135.65 33.48,134.14 ; 114.57,40.23 116.05,40.23 ; 162.99,49.67 162.03,49.67 ; J8.18 v1(161.89,49.67)
  In3.Cu w0.25: 33.4,129.54 33.4,130.23 32.79,130.85 32.79,131.68
  In3.Cu w0.4: H1.6 188.81,41.96 184.16,41.96
  In3.Cu w0.5: 32.79,131.68 32.79,133.45 v1(33.48,134.14) ; TP69.1 55.52,35.2 84.34,35.2 102.86,53.71 102.86,109.84 89.84,122.86 35.76,122.86 33.4,125.22 33.4,129.67 ; v1(116.09,40.23) 116.93,41.07 153.29,41.07 v1(161.89,49.67) 164.3,49.67 165,48.97 166.4,48.97 167.1,49.67 169.05,49.67 176.75,41.97 184.15,41.97 184.16,41.96
  Bottom w0.5: TP69.1 58.72,38.4 114.25,38.4 v1(116.09,40.23)
/H1-7: length 365.8
  Top w0.25: 32.79,130.65 32.79,131.39 32.21,131.96
  Top w0.5: 32.79,130.65 32.79,130.02 ; TP11.1 52.41,35.9 100.48,35.9 v1(107.38,42.8) 108.9,42.8 ; J8.21 v1(165.29,51.27)
  In1.Cu w0.4: 184.62,44.5 191.35,44.5 H1.7
  In1.Cu w0.5: v1(32.79,130.02) 32.79,125.19 37.37,120.62 90.56,120.62 102.45,108.72 102.45,56.14 79.95,33.64 50.15,33.64 TP11.1 ; 184.62,44.5 178.82,44.5 172.05,51.27 v1(165.29,51.27) 162.89,51.27 162.09,50.47 155.55,50.47 149.69,44.61 109.2,44.61 v1(107.38,42.8)
/H1-8: length 381.4
  Top w0.5: 114.57,42.77 v1(113.05,42.77) ; 162.99,51.27 162.03,51.27 ; J8.22 v1(161.89,51.27) ; 32.21,135.65 32.21,137.16
  In3.Cu w0.25: 31.63,134.61 31.63,133.49 ; 31.63,131.56 31.63,130.85 32.13,130.35 32.13,129.67
  In3.Cu w0.4: 184.52,44.5 188.81,44.5 H1.8
  In3.Cu w0.5: 32.13,129.67 32.13,125.22 35.2,122.16 89.55,122.16 102.16,109.55 102.16,54.15 83.9,35.9 48.6,35.9 TP71.1 ; 31.63,134.61 31.63,136.58 v1(32.21,137.16) ; 184.52,44.5 175.72,44.5 168.95,51.27 167.1,51.27 166.3,50.47 165.1,50.47 164.3,51.27 v1(161.89,51.27) 154.12,43.5 113.78,43.5 v1(113.05,42.77) ; 31.63,131.56 31.63,133.72
  Bottom w0.5: v1(113.05,42.77) 111.08,42.77 107.4,39.1 51.8,39.1 TP71.1
/H1-9: length 380.5
  Top w0.5: 108.9,45.34 110.38,45.34 ; J8.25 v1(165.29,52.87) ; TP13.1 45.49,36.6 99.6,36.6 108.32,45.33 J4.13 ; v1(30.94,131.09) J2.13
  In1.Cu w0.25: v1(30.94,131.09) 30.94,129.71 30.99,129.67
  In1.Cu w0.4: H1.9 191.35,47.04 184.52,47.04
  In1.Cu w0.5: 30.99,129.54 30.99,124.59 35.66,119.91 90.27,119.91 101.75,108.43 101.75,56.43 79.66,34.34 43.23,34.34 TP13.1 ; 184.52,47.04 178.38,47.04 172.55,52.87 v1(165.29,52.87) 162.89,52.87 162.09,52.07 152.95,52.07 148.03,47.15 112.24,47.15 v1(110.43,45.34)
/H1-10: length 393.1
  Top w0.5: J8.26 v1(161.89,52.87) ; 162.99,52.87 162.03,52.87 ; 30.94,135.65 v1(30.94,134.14) ; 114.57,45.31 116.05,45.31
  In3.Cu w0.25: 30.86,129.67 30.86,130.23 30.36,130.73 30.36,131.56
  In3.Cu w0.4: H1.10 188.81,47.04 184.52,47.04
  In3.Cu w0.5: v1(116.09,45.31) 116.95,46.17 155.19,46.17 v1(161.89,52.87) 164.3,52.87 165,52.17 166.4,52.17 167.1,52.87 168.75,52.87 174.58,47.04 184.52,47.04 ; TP73.1 41.68,36.6 83.46,36.6 101.46,54.59 101.46,109.26 89.37,121.34 34.48,121.34 30.86,124.97 30.86,129.67 ; 30.36,131.56 30.36,133.56 v1(30.94,134.14)
  Bottom w0.5: v1(116.09,45.31) 116.06,45.34 112.52,45.34 106.98,39.8 44.88,39.8 TP73.1
/H1-11: length 396.5
  Top w0.25: 30.25,130.65 30.25,131.39 29.67,131.97
  Top w0.5: v1(30.25,130.02) 30.25,130.03 30.25,130.65 ; 108.9,47.88 v1(107.38,47.88) 96.81,37.3 38.57,37.3 TP15.1 ; J8.29 v1(165.29,54.47)
  In1.Cu w0.4: 184.54,49.58 191.35,49.58 H1.11
  In1.Cu w0.5: 184.54,49.58 178.24,49.58 173.35,54.47 v1(165.29,54.47) 163.7,54.47 163,53.77 152.7,53.77 148.59,49.66 109.16,49.66 v1(107.38,47.88) ; v1(30.25,130.02) 30.25,124.2 35.24,119.21 89.97,119.21 101.05,108.14 101.05,56.72 79.37,35.04 36.31,35.04 TP15.1
/H1-12: length 411.5
  Top w0.5: J8.30 v1(161.89,54.47) ; 162.99,54.47 162.03,54.47 ; 114.57,47.85 v1(113.05,47.85) ; 29.67,135.65 v1(29.67,137.16)
  In3.Cu w0.25: 29.59,129.54 29.59,130.26 29.09,130.76 29.09,131.69 ; 29.09,134.61 29.09,133.72
  In3.Cu w0.4: 184.46,49.58 188.81,49.58 H1.12
  In3.Cu w0.5: v1(113.05,47.85) 113.78,48.58 156,48.58 v1(161.89,54.47) 164.3,54.47 165,53.77 166.4,53.77 167.1,54.47 168.85,54.47 173.74,49.58 184.46,49.58 ; v1(29.67,137.16) 29.09,136.58 29.09,134.61 ; TP75.1 34.76,37.3 83.02,37.3 100.75,55.03 100.75,108.97 89.08,120.64 33.41,120.64 29.59,124.46 29.59,129.67 ; 29.09,133.72 29.09,131.69
  Bottom w0.5: v1(113.05,47.85) 111.2,47.85 103.86,40.5 37.96,40.5 TP75.1
/H1-13: length 411
  Top w0.5: J8.33 v1(165.29,56.07) ; J2.17 v1(28.4,131.11) ; 108.9,50.42 110.38,50.42 ; J4.17 108.32,50.41 95.92,38.01 31.66,38.01 TP17.1
  In1.Cu w0.25: v1(28.4,131.11) 28.4,129.71 28.45,129.67
  In1.Cu w0.4: 184.6,52.12 191.35,52.12 H1.13
  In1.Cu w0.5: TP17.1 29.4,35.75 79.08,35.75 100.35,57.02 100.35,107.84 89.68,118.51 33.77,118.51 28.45,123.82 28.45,129.54 ; v1(110.43,50.42) 111.68,51.67 148.65,51.67 152.25,55.27 162.09,55.27 162.89,56.07 v1(165.29,56.07) 174.05,56.07 178,52.12 184.6,52.12
/H1-14: length 424.2
  Top w0.5: J8.34 v1(161.89,56.07) ; 114.57,50.39 116.05,50.39 ; 28.4,135.67 v1(28.4,134.16) ; 162.99,56.07 162.03,56.07
  In3.Cu w0.25: 28.32,129.41 28.32,130.26 27.71,130.87 27.71,131.55
  In3.Cu w0.4: H1.14 188.81,52.12 184.5,52.12
  In3.Cu w0.5: 184.5,52.12 173.3,52.12 169.35,56.07 167.05,56.07 166.35,55.37 165,55.37 164.3,56.07 v1(161.89,56.07) 157.29,51.47 117.17,51.47 v1(116.09,50.39) ; 28.32,129.67 28.32,123.57 31.95,119.94 88.79,119.94 100.05,108.68 100.05,55.6 82.46,38.01 27.78,38.01 18.99,29.21 ; 27.71,131.55 27.71,133.47 v1(28.4,134.16)
  Bottom w0.5: TP77.1 20.44,29.21 32.44,41.21 103.18,41.21 112.4,50.42 116.06,50.42 v1(116.09,50.39)
/H1-16: length 442.5
  Top w0.5: 114.57,52.93 v1(113.05,52.93) ; J8.38 v1(161.89,57.67) ; 162.99,57.67 162.03,57.67 ; 27.13,135.68 v1(27.13,137.19)
  In3.Cu w0.25: 26.55,131.56 26.55,130.76 27.05,130.26 27.05,129.41 ; 26.55,134.61 26.55,133.61
  In3.Cu w0.4: H1.16 188.81,54.66 184.54,54.66
  In3.Cu w0.5: TP79.1 20.92,38.71 82.02,38.71 99.35,56.04 99.35,108.39 88.5,119.24 30.37,119.24 27.05,122.55 27.05,129.67 ; 26.55,134.61 26.55,136.61 v1(27.13,137.19) ; 26.55,131.56 26.55,133.61 ; 184.54,54.66 172.66,54.66 169.75,57.57 167,57.57 166.4,56.97 164.79,56.97 164.09,57.67 v1(161.89,57.67) 157.88,53.66 113.78,53.66 v1(113.05,52.93)
  Bottom w0.5: TP79.1 12.51,30.3 19.5,30.3 31.11,41.91 100.08,41.91 111.1,52.93 v1(113.05,52.93)
/H1-17: length 277.8
  Top w0.5: J8.41 v1(165.29,59.27) ; 108.9,55.5 110.38,55.5 ; J2.21 v1(25.86,131.11) ; TP21.1 95.13,43.19 107.43,55.49 J4.21
  In1.Cu w0.25: v1(25.86,131.11) 25.86,129.71 25.91,129.67
  In1.Cu w0.4: H1.17 191.35,57.2 184.48,57.2
  In1.Cu w0.5: TP21.1 83.82,47.54 98.94,62.66 98.94,107.26 89.1,117.1 30.73,117.1 25.91,121.92 25.91,129.54 ; 184.48,57.2 177.82,57.2 175.75,59.27 v1(165.29,59.27) 163.7,59.27 162.8,58.37 147.15,58.37 145.25,56.47 111.4,56.47 v1(110.43,55.5)
